# KiCad board PC110.kicad_pcb (continued)
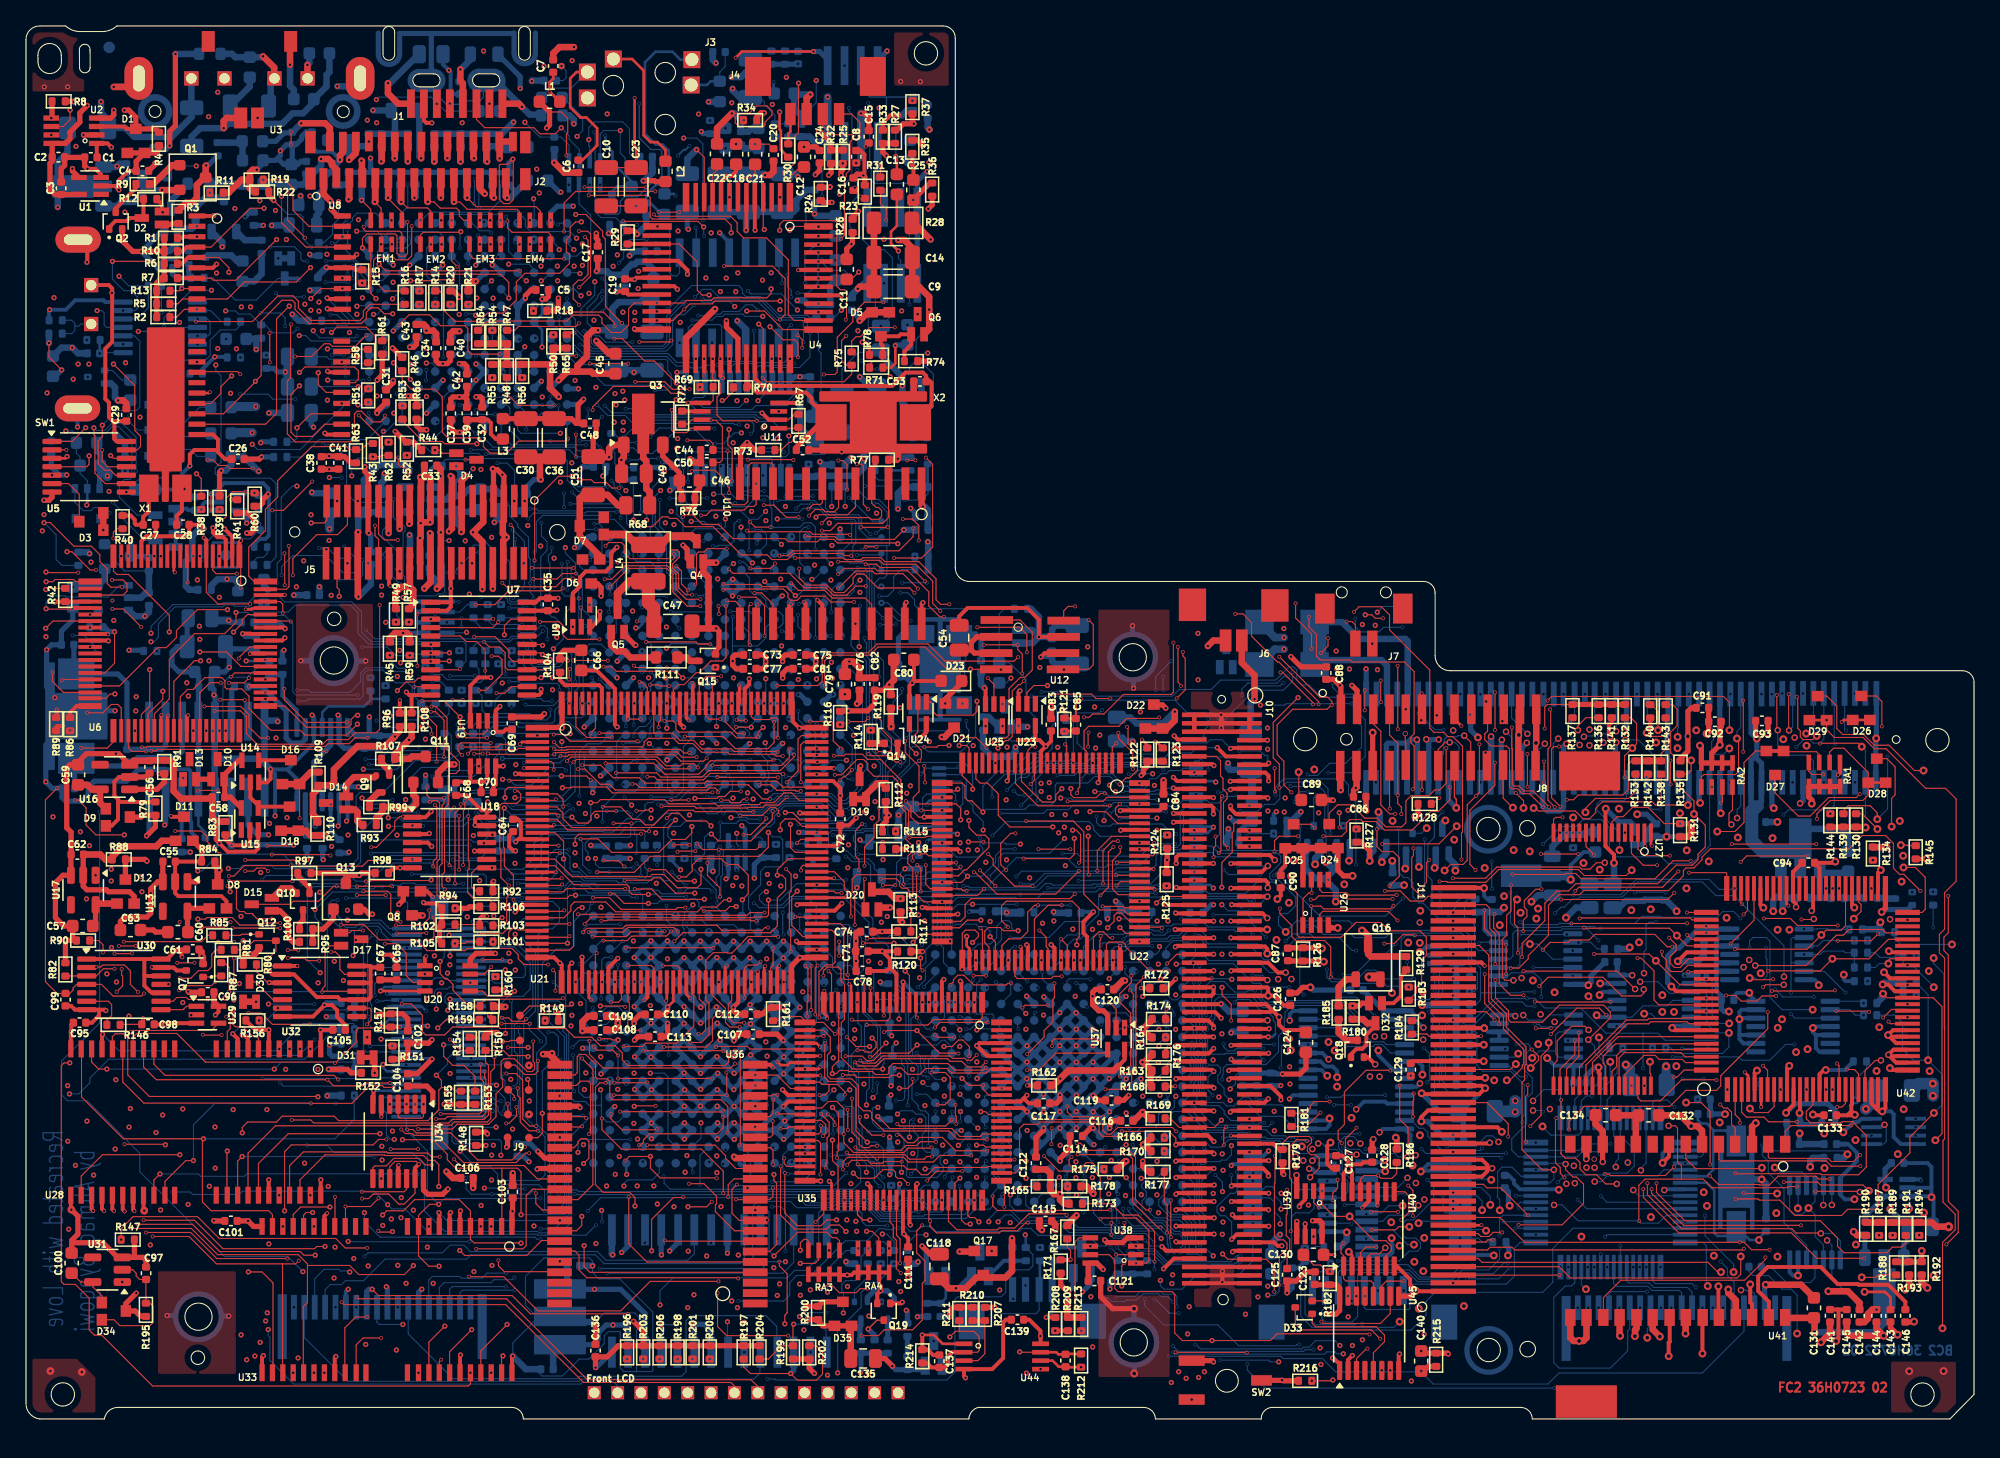
[diagram p0: board, top side]
## Routing (per net, layer and track width the routed paths; a pad name or vN(x,y) marks a point on that pad's centre or on a via; arc(x,y) is an arc through that point) (continued)
CPU_HOLD: length 66.3
  FC2 w0.08: 38.05,31.1 38.77,31.82 41.87,31.82 v1(42.03,31.98)
  IC2 w0.08: v1(58.19,67.4) 57.52,67.4 54.29,70.63 54.29,71.41 53.82,71.88 51.82,71.88 51.11,71.17 51.11,69.93 50.62,69.44 50.62,68.58 50.25,68.21 50.25,60.06 50.03,59.84 49.98,59.84 49.92,59.78 48.63,59.78 46.62,57.77 45.64,57.77 44.81,56.94 44.81,46.37 42.95,44.51 42.95,42.5 43.58,41.87 43.58,39.4 44.49,38.49 44.49,34.33 42.14,31.98 v1(42.03,31.98)
  BC1 w0.08: v1(42.03,31.98) 42.48,32.43 42.85,32.43 43.22,32.06 43.22,31.64 43.51,31.35 43.74,31.35 43.92,31.17 v7(44.31,31.17)
  BC2 w0.08: U76.C7 45.62,31.76 44.76,31.76 44.31,31.31 v7(44.31,31.17) ; 57.63,67.99 57.63,67.99 58.19,67.42 v1(58.19,67.4)
CPU_INTR: length 61.8
  FC2 w0.08: v3(48.08,56.57) 48.74,56.57 48.82,56.49 49.53,56.49 v3(49.54,56.48)
  FC1 w0.08: v3(49.54,56.48) 49.75,56.69 49.75,57.87 49.84,57.96 49.84,64.08 50.41,64.65 50.41,65.87 50.21,66.07 49.54,66.07 49.06,66.55 49.06,67.31 50.38,68.63 50.38,69.25 49.7,69.93 v1(49.7,69.94) ; v1(46.82,22.78) 46.34,23.26 46.34,30.92 45.82,31.44 45.82,32.05 45.96,32.19 45.96,33.76 47.33,35.13 47.33,44.15 46.22,45.26 46.22,52.91 46.86,53.55 v3(46.86,55.15) 47.28,55.15 48.08,55.95 v3(48.08,56.57)
  BC1 w0.08: v1(46.82,22.78) 46.17,22.13 46.17,21.29 46.57,20.89 v7(47.33,20.89) ; v1(49.7,69.94) 50.32,69.32 50.32,68.28 50.17,68.13 50.17,67.18 51.14,66.21 v7(51.29,66.21)
  BC2 w0.08: 51.28,66.72 51.28,66.23 v7(51.29,66.21) ; U76.D15 47.42,20.89 v7(47.33,20.89)
CPU_KEN#: length 78.2
  BC1 w0.08: v7(57.45,68.71) 57.59,68.57 v7(57.59,66.77) ; v7(42.97,37.48) 43.3,37.15 43.3,33.05 42.86,32.61 41.71,32.61 41.59,32.49 41.59,31.76 41.8,31.55 42.69,31.55 43.84,30.4 v7(44.13,30.4) ; v7(54.73,60.91) 54.3,61.34 53.39,61.34 52.92,61.81 52.92,63.45 52.04,64.33 52.04,66.37 v7(52.92,67.25) ; v7(60.82,67) 61.2,66.62 63.98,66.62 v7(64.01,66.59) ; v7(45.78,38.12) 45.78,41.8 45.83,41.85 45.83,44.41 46.26,44.84 47.21,44.84 47.55,44.5 48.9,44.5 49.2,44.8 49.2,48.52 49.82,49.14 49.82,52.7 50.19,53.07 50.19,53.62 51.47,54.9 51.47,59.16 52.18,59.87 v7(55.7,59.87) ; v7(54.93,69.23) v7(54.93,71.18)
  BC2 w0.08: v7(54.73,60.91) 54.78,60.96 55.34,60.96 55.78,60.52 55.78,59.95 v7(55.7,59.87) ; v7(54.93,69.23) 54.8,69.23 54.54,68.97 54.54,67.67 54.2,67.33 53.38,67.33 53.3,67.25 v7(52.92,67.25) ; v7(54.93,71.18) 54.95,71.2 55.59,71.2 55.65,71.14 57.07,71.14 57.31,70.9 57.31,70.3 57.45,70.16 v7(57.45,68.71) 59.59,68.71 59.94,69.06 60.48,69.06 60.8,68.74 60.8,67.02 v7(60.82,67) ; v7(64.01,66.59) 65.79,66.59 J12.3 ; U76.B7 44.97,30.67 44.7,30.4 v7(44.13,30.4) ; v7(45.78,38.12) 43.31,38.12 42.97,37.78 v7(42.97,37.48)
CPU_LDEV#: length 84
  FC2 w0.08: v3(49.69,37.57) 49.34,37.22 46.81,37.22 46.79,37.2 46.64,37.2 46.3,36.86 v3(44.47,36.86) ; v3(50.18,43.71) 50.23,43.76 v3(51.56,43.76)
  FC1 w0.08: v3(49.69,37.57) 49.69,39.73 50.01,40.05 50.01,43.54 v3(50.18,43.71) ; v3(44.37,33.67) 44.47,33.77 v3(44.47,36.86) ; v1(56.9,64.54) 56.9,62.81 56.41,62.32 52.5,62.32 51.38,61.2 51.38,57.39 51.62,57.15 51.62,53.38 51.08,52.84 51.08,52.02 50.8,51.74 50.8,49.89 52.19,48.5 52.19,47.26 52.11,47.18 52.11,43.94 51.93,43.76 v3(51.56,43.76)
  IC1 w0.08: v1(29.61,80.11) 29.61,79.85 30.03,79.43 30.03,78.81 30.81,78.03 31.68,78.03 32.63,77.08 32.63,74.8 33.27,74.16 33.27,72.21 33.87,71.61 35.96,71.61 38.22,69.35 38.22,65.7 38.65,65.27 56.17,65.27 v1(56.9,64.54)
  BC2 w0.08: U51.D11 30.25,79.47 v1(29.61,80.11)
  BC2 w0.2: 57.63,64.18 57.51,64.3 57.14,64.3 v1(56.9,64.54)
CPU_MIO#: length 119.3
  FC2 w0.08: v1(46.85,24.09) 46.89,24.13 v3(48.5,24.13)
  FC2 w0.3: v3(47.64,32.28) 47.86,32.5 U21.50
  FC1 w0.08: v3(48.5,24.13) 48.5,24.65 48.79,24.94 48.79,28.85 47.64,30 v3(47.64,32.28)
  IC2 w0.08: v1(46.01,76.82) 46.7,76.82 47.26,76.26 47.26,62.1 46.35,61.19 45.29,61.19 43.82,59.72 43.82,56.4 40.6,53.18 40.6,40.27 43.98,36.89 43.98,35.2 41.27,32.49 41.27,29.77 41.45,29.59 41.45,26.37 42.44,25.38 v1(43.01,25.38)
  IC4 w0.08: v1(43.01,25.38) 42.5,25.38 41.98,24.86 41.98,20.38 42.2,20.16 43.31,20.16 46.85,23.7 v1(46.85,24.09)
  BC1 w0.08: v7(48.81,70.82) 47.22,70.82 47.04,71 47.04,75.23 v7(47.03,75.24) ; v1(43.01,25.38) 43.45,24.94 45.8,24.94 46.24,25.38 v7(46.24,25.81) ; v7(36.56,79.57) 36.56,79.94 36.75,80.13 37.67,80.13 38.37,79.43 38.37,78.17 39.2,77.34 42.52,77.34 44.6,75.26 v7(46,75.26) 46.26,75.26 46.42,75.42 46.42,76.66 46.26,76.82 v1(46.01,76.82)
  BC2 w0.08: U51.J11 36.56,79.49 v7(36.56,79.57) ; v7(46,75.26) 47.01,75.26 v7(47.03,75.24) ; v7(48.81,70.82) 48.81,68.8 49.34,68.27 49.34,65.25 49.81,64.78 51.95,64.78 52.55,64.18
CPU_NMI: length 98.3
  FC2 w0.4: v1(37.02,20.95) 37.1,21.03 J9.10
  IC3 w0.08: v1(14.56,22.5) 16.17,22.5 16.38,22.71 31.68,22.71 32.83,21.56 36.41,21.56 v1(37.02,20.95) 37.71,21.64 47.04,21.64 v1(47.11,21.57)
  BC1 w0.08: v7(41.17,22.92) 42.1,22.92 42.27,22.75 44.24,22.75 47.15,19.84 v7(47.52,19.84) 47.52,20.37 47.74,20.59 47.74,21.1 47.27,21.57 v1(47.11,21.57) ; v7(48.07,52.63) 48.42,52.63 48.57,52.78 48.89,52.78 49.07,52.6 49.07,52.31 49.01,52.25 49.01,45.02 ; 49.01,45.02 49.01,44.96 48.78,44.73 47.77,44.73 47.41,45.09 46.13,45.09 45.63,44.59 45.63,41.97 45.46,41.8 45.46,37.22 45.61,37.07 45.61,36.26 46.03,35.84 46.03,35.16 45.87,35 v7(45.6,35) ; 49.01,45.02 49.01,44.98 ; v7(44.31,32.39) 44.6,32.39 44.77,32.22 44.77,30.64 43.28,29.15 43.28,27.95 43.02,27.69 v7(41.17,27.69) ; v7(48.28,53.47) 48.51,53.47 49.1,54.06 49.54,54.06 50.8,55.32 50.8,56.15 50.19,56.76 50.19,58.02 50.82,58.65 50.82,60.08 51.25,60.51 v7(51.25,65.12)
  BC2 w0.08: v7(44.31,32.39) 44.31,33.94 44.69,34.32 45.35,34.32 45.6,34.57 v7(45.6,35) ; U76.D16 47.52,19.72 v7(47.52,19.84) ; 51.28,65.45 51.25,65.43 v7(51.25,65.12) ; v7(48.07,52.63) 48.07,53.26 v7(48.28,53.47) ; v7(41.17,27.69) v7(41.17,22.92)
CPU_RDY#: length 95.8
  FC2 w0.08: v3(45.6,66) 49.57,66 49.92,66.35 v3(49.92,66.66) ; v1(42.3,44.29) 42.3,44.78 42.58,45.06 47.34,45.06 v3(47.38,45.1) ; 46.46,54.03 v3(46.38,53.95) 46.4,53.93 v3(47.35,53.93)
  FC2 w0.3: 46.36,55.15 46.36,53.97 v3(46.38,53.95)
  FC1 w0.08: v3(45.6,66) 45.6,60.43 47.51,58.52 47.51,57.02 47.58,56.95 47.58,56.39 46.38,55.19 v3(46.38,53.95) ; v1(53.28,64.74) 51.15,64.74 50.96,64.93 50.96,66.07 50.37,66.66 v3(49.92,66.66) ; v3(47.38,45.1) 47.38,50.31 46.59,51.1 46.59,52.86 47.35,53.62 v3(47.35,53.93)
  IC1 w0.08: v1(53.28,64.74) 53.23,64.79 38.58,64.79 38.05,65.32 38.05,69.04 35.88,71.21 32.55,71.21 27.66,76.1 v1(27.54,76.1)
  BC1 w0.08: v7(54.23,62.23) 53.83,62.23 53.29,62.77 53.29,64.73 v1(53.28,64.74) ; v1(42.3,44.29) 42.73,43.86 42.73,40.18 42.21,39.66 42.21,38.78 43.48,37.51 43.48,32.31 43.67,32.12 v7(43.67,31.7)
  BC2 w0.08: U51.C12 U51.C13 28.54,76.91 27.73,76.1 v1(27.54,76.1) ; v7(54.23,62.23) 55.75,62.23 56.37,61.61 ; v7(43.67,31.7) 43.7,31.67 U76.A7
CPU_RESET: length 64.3
  FC2 w0.08: v3(45.06,32.11) 45.63,32.11 45.86,32.34 U21.46
  FC1 w0.08: v1(44.26,25.37) 44.79,25.37 45,25.58 45,31.66 45.06,31.72 v3(45.06,32.11)
  BC1 w0.08: v7(40.65,33.66) 40.65,37.06 41.36,37.77 41.36,40.04 40.81,40.59 40.81,47.49 v7(41.23,47.91) ; v7(50.75,63.43) 50.75,60.61 50.12,59.98 50.12,58.74 49.93,58.55 49.93,55.18 49.26,54.51 48.84,54.51 48.64,54.31 47.53,54.31 47.28,54.06 45.14,54.06 43.95,52.87 43.95,51.4 43.07,50.51 v7(41.94,50.51)
  BC2 w0.08: v7(41.23,47.91) 41.94,48.62 v7(41.94,50.51) ; 51.28,64.18 50.93,63.84 50.93,63.61 v7(50.75,63.43) ; 44.32,24.18 44.32,23.32 44.75,22.89 45.61,22.89 U76.C13 ; 44.32,24.18 44.32,25.31 v1(44.26,25.37) ; 44.32,24.18 44.31,24.17 43.37,24.17 43.08,24.46 42.27,24.46 41.81,24.92 41.81,29.8 41.57,30.04 41.57,32.74 v7(40.65,33.66)
CPU_SMI#: length 55.6
  IC4 w0.08: v1(48.09,26.65) 47.67,27.07 47.67,31.34 47.63,31.38 47.63,39.36 47.45,39.54 47.45,41.32 47.96,41.83 47.96,45.49 48.63,46.16 48.63,51.72 48.76,51.85 48.76,69.33 48.95,69.52 49.8,69.52 49.91,69.41 v1(49.91,68.92)
  BC1 w0.08: v7(50.01,66.21) 49.91,66.31 v1(49.91,68.92)
  BC2 w0.08: v7(50.01,66.21) 50.01,66.72 ; v1(48.09,26.65) 49.17,26.65 49.45,26.37 49.45,21.58 U76.F15
CPU_SMIACT#: length 108.1
  FC2 w0.08: v3(41.88,57.81) 41.84,57.77 v3(41.84,56.98)
  FC1 w0.08: v1(42.04,73.68) 42.85,73.68 43.15,73.38 43.15,71.63 42.85,71.33 42.85,67.04 41.65,65.84 41.65,64.46 42.38,63.73 42.49,63.73 43.02,63.2 43.02,61.07 ; 43.02,61.07 43,61.05 v3(42.12,61.05) ; 43.02,61.07 43.02,58.48 42.35,57.81 v3(41.88,57.81) ; v3(41.84,56.98) 41.65,56.98 40.95,57.68 37.5,57.68 36.99,58.19 34.48,58.19 33.33,57.04 33.33,54.59 32.54,53.8 30.38,53.8 30.14,53.56 30.14,49.87 27.43,47.16 27.43,45.41 27.69,45.15 27.69,43.32 27.62,43.25 27.62,42.89 29.23,41.28 29.23,39.33 28.88,38.98 v1(28.63,38.98)
  IC1 w0.08: v1(36,21.09) 36.42,21.09 36.7,21.37 39.47,21.37 42.4,18.44 45.57,18.44 v1(46.06,17.95)
  IC3 w0.08: v1(42.04,73.68) 42.05,73.69 45.12,73.69 45.29,73.52 48.84,73.52 v1(50.13,74.81)
  IC4 w0.08: v1(28.63,38.98) 31.03,36.58 33.31,36.58 34.93,34.96 34.93,25.21 36.77,23.37 36.77,21.86 v1(36,21.09)
  BC2 w0.08: v1(50.13,74.81) 50.13,74.22 50.37,73.98 50.37,71.44 50.6,71.21 50.6,70.74 50.14,70.28 50.14,69.71 50.6,69.25 50.6,68.17 50.42,67.99 50.01,67.99 ; v1(46.06,17.95) 46.06,18.14 46.34,18.42 48.24,18.42 48.78,18.96 U76.E16
CPU_SRESET: length 70.5
  FC2 w0.08: 38.75,21.67 39.42,21.67 39.77,22.02 v1(39.77,23.55)
  IC2 w0.08: v1(39.77,23.55) 40.99,23.55 42.52,22.02 v1(42.52,20.54)
  BC1 w0.08: 42.53,55.63 41.88,55.63 41.77,55.52 41.13,55.52 41.06,55.59 40.33,55.59 39.47,54.73 39.47,53.66 39.84,53.29 39.84,41.67 39.72,41.55 39.72,32.06 40.24,31.54 v7(40.24,29.8) ; 42.53,55.63 42.59,55.63 ; 42.53,55.63 42.6,55.63 42.7,55.53 45.25,55.53 v7(45.54,55.82) ; v7(46.55,21.54) 46.55,21.88 46.79,22.12 48.19,22.12 48.79,21.52 v7(48.79,21.11) ; v7(49.99,63.66) 49.99,60.79 48.88,59.68 48.88,59.15 49.4,58.63 49.4,57.56 49.69,57.27 49.69,56.9 49.44,56.65 49.44,55.21 49.18,54.95 47.37,54.95 47.05,54.63 v7(45.67,54.63)
  BC2 w0.08: v1(39.77,23.55) 39.77,26.81 41.01,28.05 41.01,29.45 40.66,29.8 v7(40.24,29.8) ; v7(45.67,54.63) 45.67,55.13 45.54,55.26 v7(45.54,55.82) ; 50.01,64.18 50.01,63.68 v7(49.99,63.66) ; U76.E15 48.79,20.99 v7(48.79,21.11) ; v1(42.52,20.54) 42.52,21.36 42.7,21.54 v7(46.55,21.54)
CPU_STPCLK#: length 103.6
  FC2 w0.08: v3(67.33,12) 67.33,13.88 67.05,14.16 U35.62
  FC1 w0.08: v3(67.33,12) 66.5,11.17 66.5,4.46 64.95,2.91 63.8,2.91 63.41,3.3 63.41,3.91 61.25,6.07 55.77,6.07 54.8,7.04 v1(54.8,8.58)
  IC4 w0.08: v1(48.88,71.55) 48.88,71.06 49.49,70.45 49.95,70.45 50.13,70.27 50.13,69.62 50.33,69.42 50.33,68.71 49.65,68.03 49.65,65.4 50.3,64.75 50.3,58.5 51.06,57.74 51.06,48.79 49.42,47.15 49.42,44.36 51.03,42.75 51.03,40.49 50.89,40.35 50.89,38.9 52.49,37.3 52.49,23.32 v1(51.99,22.82) 51.93,22.76 51.93,18.84 53.02,17.76 53.02,9.22 53.65,8.58 v1(54.8,8.58)
  BC2 w0.08: 48.73,67.99 48.73,68.49 48.47,68.75 48.47,71.13 48.58,71.24 48.58,71.25 v1(48.88,71.55) ; U76.G15 51.99,21.65 v1(51.99,22.82)
CPU_WR#: length 104.6
  FC2 w0.08: U21.42 43.86,35.8 v3(43.96,35.9)
  FC1 w0.08: v1(44.29,39.43) 44.29,38.87 43.96,38.54 v3(43.96,35.9)
  IC3 w0.08: v1(54.77,78.47) 54.77,78.52 54.12,79.17 51.78,79.17 50.75,78.14 45.46,78.14 v1(45.45,78.15) 42.57,78.15 41.29,79.43 39.27,79.43 39.2,79.5 33.88,79.5 v1(33.33,80.05)
  IC4 w0.08: v1(44.29,39.43) 44.29,41.57 42.72,43.14 42.72,44.49 41.44,45.77 41.44,47.35 41.91,47.82 41.91,49.8 42.4,50.29 42.4,52.15 42.41,52.15 42.55,52.29 42.55,54.13 43.16,54.74 43.16,59.87 42.33,60.7 42.33,65.43 43.1,66.2 43.1,71.67 43.36,71.93 43.36,74.27 44.18,75.09 46.22,75.09 46.65,75.52 46.65,77.49 45.99,78.15 v1(45.45,78.15)
  BC1 w0.08: v7(30.2,78.74) 30.2,79.17 30.42,79.39 33.13,79.39 33.33,79.59 v1(33.33,80.05) ; v7(46.24,28.76) 46.22,28.78 46.22,32.99 v7(46.23,33) ; v1(54.77,78.47) 54.77,77.89 54.59,77.71 54.59,75.78 54.97,75.4 54.97,74.69 55.97,73.69 55.97,72.37 55.5,71.9 55.5,71.39 55.56,71.33 55.56,70.55 55.34,70.33 55.34,69.7 56.03,69.01 v7(56.03,68.54) ; v7(45.6,33.98) 44.82,33.98 44.29,34.51 v1(44.29,39.43)
  BC2 w0.08: v7(56.03,68.54) 56.65,68.54 57.04,68.15 57.04,67.41 56.36,66.72 ; v7(45.6,33.98) 45.6,33.3 45.9,33 v7(46.23,33) ; U51.D12 30.25,78.69 v7(30.2,78.74)
D4_3: length 16.3
  FC2 w0.08: D4.3 34.69,73.93 v3(33.86,73.93)
  FC1 w0.08: v3(33.86,73.93) 33.05,73.93 32.73,73.61 32.73,73.34 33.13,72.94 33.13,71.7 34.74,70.09 37.32,70.09 37.9,69.51 37.9,67.64 37.58,67.32 35.2,67.32 34.36,66.48 v3(34.36,65.94)
D11_2: length 15.2
  FC2 w0.4: C62.2 4.41,43.47 U17.2 4.41,41.06 4.69,40.78 6.2,40.78 6.35,40.63 7.98,40.63 8.34,40.28 8.34,39.72
  FC2 w0.5: D11.3 10.47,44.56 10.04,44.13 7.46,44.13 6.64,43.31 R88.1 6.11,43.12 5.73,43.5 C62.2
D18_2_3: length 143.5
  FC2 w0.08: J5.21 23.14,65.97 v3(23.14,67.03)
  FC1 w0.08: v1(20.87,71.89) 20.93,71.83 23.53,71.83 24.27,71.09 24.27,70.44 22.55,68.72 22.55,67.62 v3(23.14,67.03) ; v1(12.08,23.89) v1(12.08,32.09)
  IC1 w0.08: v1(12.08,23.89) 12.83,23.14 31.98,23.14 32.99,24.15 40.27,24.15 40.84,23.58 63.74,23.58 63.91,23.75 64.88,23.75 65.17,24.04 65.17,24.14 66,24.97 v1(66.62,24.97)
  BC1 w0.08: v7(19.96,84.22) 19.96,83.89 21.46,82.39 21.46,75.43 20.87,74.84 v1(20.87,71.89) ; v7(18.06,85.23) 18.06,88.07 v7(19.43,89.44) ; v7(19.35,64.43) 18.58,64.43 18.3,64.16 18.3,63.82 19.25,62.87 19.25,59.37 v7(17.88,58) ; v7(15.17,52.26) 14.51,51.6 14.51,32.73 13.87,32.09 v1(12.08,32.09)
  BC2 w0.08: v7(19.96,84.22) 19.96,84.85 19.58,85.23 v7(18.06,85.23) ; v1(20.87,71.89) 20.52,71.89 19.66,71.03 19.66,66.26 19.35,65.95 v7(19.35,64.43) ; v7(15.17,52.26) 15.17,56.71 15.62,57.16 17.05,57.16 17.88,57.99 v7(17.88,58)
  BC2 w0.4: v1(66.62,24.97) 66.47,24.82 R397.2
  BC2 w0.5: v7(19.43,89.44) D37.1
D28_1: length 171.5
  FC2 w0.5: v1(29.53,68.98) 29.56,69.01 J5.12
  IC1 w0.5: v1(63.99,40.94) 67.08,40.94 67.33,40.69 88.01,40.69 88.4,40.3 94,40.3 94.9,39.4 96.39,39.4 96.77,39.02 105.3,39.02 105.44,39.16 v2(107.4,39.16)
  IC3 w0.08: v2(107.56,26.53) 107.49,26.6
  IC3 w0.5: v1(63.99,40.94) 64.02,40.91 64.02,39.37 63.27,38.62 40.95,38.62 39.3,40.27 33.81,40.27 v1(32.52,41.56) ; v2(100.99,26.33) 101.68,26.33 102.48,25.53 104.72,25.53 105.79,26.6 107.49,26.6
  IC3 w0.7: v1(17.43,76.01) 18.75,76.01 19.61,75.15 28.47,75.15 29.52,74.1 v1(29.52,72.97)
  IC4 w0.5: v1(32.52,41.56) 32.52,42.4 33.38,43.26 33.38,49.85 34.21,50.68 34.21,59.32 33.56,59.97 28.64,59.97 28.62,59.99 28.06,59.99 26.6,61.45 26.6,67.08 27.14,67.62 27.14,68.93 27.92,69.71 28.8,69.71 v1(29.53,68.98) 29.52,68.99 v1(29.52,72.97)
  IC4 w0.6: 106.21,27.88 v2(107.56,26.53)
  IC4 w0.9: v2(107.4,39.16) 107.83,39.16 108.4,38.59
  IC4 w1: 106.21,27.88 106.21,33.49 108.4,35.68 108.4,38.59
  BC2 w0.3: v2(107.56,26.53) 107.56,27.2 107.21,27.55 U70.7 ; v2(100.99,26.33) 100.99,26.82 100.65,27.16 100.11,27.16 99.72,27.55 U70.24
  BC2 w0.5: v1(63.99,40.94) 63.99,41.83 Q36.2 ; C221.2 26.03,72.36 27.19,73.52 29.24,73.52 29.52,73.24 v1(29.52,72.97)
  BC2 w0.7: v1(17.43,76.01) 15.87,76.01 D50.1
D46_1: length 49.5
  FC2 w0.08: v3(37.33,68.89) 37.56,68.66 J5.39 ; v3(27.43,74.86) 27.3,74.99 27.3,75.67 v3(25.63,77.34) ; v3(18.78,81.43) 18.78,83.66 v3(18.76,83.68) ; v3(29.15,73.38) 28.86,73.38 28.68,73.56 v3(28.68,74.09)
  FC1 w0.08: v3(27.43,74.86) 27.92,74.86 28.68,74.1 v3(28.68,74.09) ; v3(18.76,83.68) 18.76,85.3 17.08,86.98 v1(14.29,86.98) ; v3(25.63,77.34) 23.41,77.34 22.08,78.67 22.08,80.33 20.98,81.43 v3(18.78,81.43) ; v3(29.15,73.38) 30.36,73.38 34.22,69.52 36.7,69.52 v3(37.33,68.89)
  BC1 w0.08: v7(11.33,77.78) 11.33,80.2 10.55,80.98 10.55,84.14 v7(10.63,84.22)
  BC2 w0.08: v1(14.29,86.98) 12.74,86.98 10.63,84.87 v7(10.63,84.22)
Dock_PWR_IN-: length 116.5
  FC2 w0.08: 35.16,63.95 v1(35.15,63.94)
  FC2 w0.5: J5.5 35.22,70.73 35.22,69.12 v1(34.43,68.33) 35.16,67.6 J5.36 ; 35.15,65.93 J5.36 ; J5.36 35.16,63.95 ; v1(35.96,63.98) J5.37
  IC3 w0.4: 107.17,52.38 v4(107.14,52.35)
  IC3 w0.5: 35.19,63.98 v1(35.15,63.94)
  IC3 w0.6: 34.89,67.87 v1(34.43,68.33) ; 35.15,66.65 34.89,66.91
  IC3 w0.7: 34.89,66.91 34.89,67.87
  IC3 w0.8: v1(35.15,63.94) 35.15,66.65 ; v4(107.14,52.35) 107.14,53.47 105.99,54.62 101.52,54.62 99.31,56.83 96.47,56.83 95.05,58.25 89.41,58.25 86.53,55.37 84.15,55.37 81.78,57.74 v1(81.78,59.5) 80.47,60.81 80.5,60.81 79.24,60.81 78.78,61.27 59.16,61.27 58.19,62.24 52.08,62.24 49.54,64.78 36.76,64.78 v1(35.96,63.98) 35.19,63.98 ; 108.8,52.38 v4(108.82,52.36)
  IC3 w0.9: 107.17,52.38 v4(107.86,52.38) 108.8,52.38
  BC2 w0.4: 108.05,52.19 108.22,52.36 v4(108.82,52.36) ; 108.05,52.19 108.05,49.08 J13.57 ; 108.05,52.19 v4(107.86,52.38) ; 106.38,52.08 105.64,52.08 ; 106.38,52.08 106.65,52.35 v4(107.14,52.35) 107.18,52.31 J13.56 ; 106.38,52.08 J13.55 ; 105.64,52.08 105.58,52.02 J13.54 ; 105.64,52.08 104.9,52.08 104.78,51.96 J13.53
EN_LCD_VAA: length 11.2
  FC2 w0.08: U35.83 73.7,21.96 73.51,21.77 71.93,21.77 71.32,22.38 66.54,22.38 v1(65.61,23.31)
  BC2 w0.4: R397.1 65.83,23.09 v1(65.61,23.31)
EN_RS232: length 98.7
  FC2 w0.08: v3(84.76,21.84) 84.7,21.78 82.92,21.78 82.66,22.04 82.66,22.59 82.37,22.88 78.1,22.88 77.93,22.71 76.85,22.71 76.53,22.39 76.53,19.3 76.19,18.96 U35.77
  FC1 w0.08: v4(119.23,19.51) 118.79,19.07 118.34,19.07 117.1,17.83 109.31,17.83 108.82,17.34 104.04,17.34 103.85,17.53 101.41,17.53 100.83,18.11 96.64,18.11 96.23,17.7 96.23,17.19 95.99,16.95 94.27,16.95 93.56,17.66 93.56,18.29 93.17,18.68 90.94,18.68 90.27,19.35 90.27,24.63 89.61,25.29 88.34,25.29 88.27,25.36 87.15,25.36 84.76,22.97 v3(84.76,21.84)
  IC4 w0.08: v4(123.2,52.33) 123.23,52.3 123.23,42.94 120.55,40.26 120.55,37.51 119.23,36.19 v4(119.23,19.51)
  BC2 w0.08: v4(123.2,52.33) 124.2,52.33 125.63,50.9 J13.79
Enable_IRDA_Buf: length 243
  FC2 w0.08: U7.15 39.64,57.09 v1(39.68,57.13) ; v3(97.99,44.9) 96.51,44.9 96.17,44.56 v3(96.17,43.74) ; v3(96.54,48.65) 96.54,50.46 96.07,50.93 96.07,53.68 v1(97.98,55.59) ; U26.1 98.36,40.09 98.81,40.54 v3(99.03,40.54) 99.03,41.54 U26.7
  FC1 w0.08: v1(13.2,64.66) 12.14,65.72 9.54,65.72 9.02,66.24 9.02,66.58 11.99,69.55 13.75,69.55 14.61,70.41 14.61,72.03 14.32,72.32 14.32,77.83 12.46,79.69 12.46,87.72 11.72,88.46 11.72,95.16 v1(13.12,96.56) ; v3(97.99,44.9) 97.99,45.82 98.62,46.45 98.62,47.74 97.71,48.65 v3(96.54,48.65) ; v3(96.17,43.74) 96.79,43.12 96.79,41.28 97.53,40.54 v3(99.03,40.54)
  IC3 w0.08: v1(13.2,64.66) 13.17,64.63 13.17,62.91 12.64,62.38 12.64,60.12 13.16,59.6 17.38,59.6 19.31,61.53 20.93,61.53 22.2,60.26 25.1,60.26 25.54,59.82 29.57,59.82 29.84,59.55 34.28,59.55 36.7,57.13 v1(39.68,57.13) 40.11,56.7 40.11,56 40.25,55.86 65.3,55.86 65.8,55.36 71.92,55.36 72.62,54.66 75.43,54.66 76.22,55.45 80.07,55.45 82.18,53.34 84.07,53.34 84.31,53.1 91.26,53.1 91.82,52.54 93.85,52.54 96.9,55.59 v1(97.98,55.59) 98.45,55.59 100.55,53.49 102.43,53.49 106.46,49.46 110.99,49.46 113.26,51.73 113.26,52.56 113.33,52.63 113.33,53.22 113.76,53.65 118.25,53.65 119.28,52.62 119.28,51.76 119.68,51.36 120.55,51.36 120.85,51.66 120.85,52.68 121.81,53.64 123.12,53.64 125.66,51.1 127.67,51.1 127.92,51.35 128.65,51.35 129.62,50.38 129.62,45.05 128.84,44.27 128.84,43.35 126.18,40.69 126.18,39.34 125.32,38.48 122.12,38.48 120.24,36.6 v2(115.84,36.6)
  BC1 w0.08: v7(10.86,95.82) 9.51,95.82 9.4,95.71 v7(7.72,95.71)
  BC2 w0.08: v7(10.86,95.82) 10.86,96.34 11.08,96.56 v1(13.12,96.56) ; U57.4 117.58,35.44 116.42,36.6 v2(115.84,36.6) 115.39,36.6 115.07,36.28 115.07,35.04 114.82,34.79 U57.10
ESS_AEN: length 126.7
  FC2 w0.08: U4.40 58.31,83.95 56.88,85.38 v1(55.52,85.38)
  IC2 w0.08: v1(55.52,85.38) 55.52,84.28 56.53,83.27 58.98,83.27 65.96,76.29 65.96,73.7 66.44,73.22 66.44,67.51 65.76,66.83 65.76,61.23 68.83,58.16 75.85,58.16 77.06,56.95 77.06,54.57 76.75,54.26 76.75,51.3 77.08,50.97 77.08,45.3 78.78,43.6 100.58,43.6 100.85,43.33 100.85,41.65 99.54,40.34 99.54,37.83 101.24,36.13 101.24,34.14 108.57,26.81 108.57,16.49 108.06,15.98 106.71,15.98 105.87,15.14 105.87,14.47 v2(106.91,13.43)
  BC2 w0.08: v2(106.91,13.43) 106.42,13.43 105.27,14.59 U72.16
ESS_CLK: length 50.5
  FC2 w0.08: v1(53.63,78.49) 53.79,78.49 54.5,79.2 R70.1
  IC1 w0.08: v1(35.87,67.94) 35.8,68.01 35.51,68.01 35.12,68.4 35.12,68.72 34.83,69.01 33.45,69.01 33.12,68.68 33.12,66 33.45,65.67 33.45,63.36 33.29,63.2 30.11,63.2 29.56,63.75 28.69,63.75 28.43,63.49 v1(27.39,63.49) ; v1(53.63,78.49) 51.67,78.49 47.67,74.49 47.67,70.99 47.21,70.53 40.21,70.53 39.51,69.83 39.51,67.99 39.64,67.86 v1(39.64,67.27)
  IC3 w0.08: v1(39.64,67.27) 38.76,67.27 37.54,68.49 36.42,68.49 v1(35.87,67.94)
  BC1 w0.08: v1(27.39,63.49) 27.39,62.54 26.88,62.03 26.88,58.02 26.54,57.68 v7(26.54,57.12)
ESS_DACK1#: length 123.7
  FC2 w0.08: U4.36 56.79,84.02 v1(56.44,84.37)
  IC2 w0.08: v1(56.44,84.37) 57.17,83.64 59.33,83.64 67.94,75.03 67.94,71.48 67.67,71.21 67.67,69.85 68.05,69.47 68.05,68.32 67.96,68.23 67.96,66.9 66.34,65.28 66.34,61.53 69.14,58.73 76.19,58.73 77.74,57.18 77.74,54.78 81.52,51 89.6,51 91.13,52.53 93.29,52.53 94.92,54.16 96.04,54.16 96.94,55.06 99.51,55.06 100.2,54.37 102.3,54.37 103.06,53.61 103.06,51.82 101.29,50.05 v2(99.23,50.05)
  IC4 w0.08: v4(102.01,21.25) 101.43,21.83 101.43,32.26 99.25,34.44 99.25,38.49 96.8,40.94 96.8,45.63 97.58,46.41 97.58,48.4 v2(99.23,50.05)
  BC1 w0.08: v7(103.23,13.9) 103.23,13.9 102.63,14.5 102.63,19.29 102.01,19.91 v4(102.01,21.25)
  BC2 w0.08: v7(103.23,13.9) 103.23,13.9 U72.15
ESS_DRDY: length 127.8
  FC2 w0.3: U4.21 49.93,87.3 v1(50.18,87.05)
  IC2 w0.08: v1(50.18,87.05) 50.2,87.07 52.27,87.07 52.55,87.35 55.37,87.35 56.05,86.67 56.05,84.05 56.65,83.45 59.16,83.45 66.76,75.85 66.76,68.75 67.76,67.75 67.76,67.09 66.13,65.46 66.13,61.42 69.05,58.5 76.14,58.5 77.43,57.21 77.43,54.7 78.02,54.11 78.02,50.67 77.45,50.1 77.45,45.63 79.07,44.01 107.86,44.01 109.03,42.84 110.97,42.84 112.18,41.63 115.94,41.63 116.98,42.67 119.43,42.67 119.43,42.66 120.76,41.33 120.76,38.68 122.26,37.18 122.26,36.61 123.27,35.6 124.27,35.6 125.14,34.73 125.14,31.73 v2(124.64,31.23)
  BC2 w0.08: U66.6 128.2,30.89 125.53,30.89 125.18,31.23 v2(124.64,31.23)
ESS_IRQ1: length 149.4
  FC2 w0.08: U4.16 50.31,90.55 51.71,89.15 51.71,86.98 52.08,86.61 v1(52.62,86.61)
  FC2 w0.3: U4.16 R29.1
  FC1 w0.08: v2(105.81,7.5) 105.81,13.34 v2(105.8,13.35)
  IC2 w0.08: v2(105.8,13.35) 105.19,12.74 104.26,12.74 103.55,13.46 101.44,13.46 100.77,14.12 100.77,19.86 99.98,20.65 99.98,21.51 98.42,23.07 98.42,34.38 97.79,35.01 97.79,38.84 97.29,39.34 95.41,39.34 92.67,42.08 76.11,42.08 76.11,42.07 75.72,42.07 74.92,42.87 74.92,46.64 73.93,47.63 71.2,47.63 68.58,50.25 67.21,50.25 65.44,52.02 65.44,67.07 66.15,67.78 66.15,73.07 65.58,73.64 65.58,76.24 58.81,83.01 56.29,83.01 55.27,84.03 55.27,84.73 55.11,84.89 55.11,85.87 54.86,86.12 53.11,86.12 v1(52.62,86.61)
  BC1 w0.08: v7(94.51,15.74) 94.92,15.32 94.92,11.01 95.32,10.61 97.9,10.61 v7(98.19,10.9)
  BC2 w0.08: v7(98.19,10.9) 98.19,7.92 99.05,7.06 105.37,7.06 v2(105.81,7.5)
ESS_IRQ1_Buf: length 125.4
  FC2 w0.08: v1(48.19,12.96) 48.19,15.38 49.87,17.06 50.6,17.06 v3(50.62,17.08)
  FC1 w0.08: 54.32,55 54.32,55.03 54.37,55.08 ; 54.32,55 54.32,48.34 54.06,48.08 54.06,46.79 53.75,46.48 53.75,45.31 54.87,44.19 54.87,42.91 55.62,42.16 55.62,40.78 55.39,40.55 53.25,40.55 53.11,40.41 53.11,39.19 52.69,38.77 51.91,38.77 51.36,38.22 51.36,36.67 50.95,36.26 50.43,36.26 50.27,36.1 50.27,18.22 50.62,17.87 v3(50.62,17.08) ; 54.32,55 54.32,55.11 v3(54.36,55.15)
  IC4 w0.08: v1(88.26,10.43) 88.26,9.77 86.38,7.89 84.34,7.89 83.29,6.84 76.22,6.84 74.36,4.98 51.94,4.98 48.15,8.77 48.15,12.92 v1(48.19,12.96)
  BC1 w0.08: v7(99.17,5.34) 99.17,5.64 99.48,5.95 99.48,9.9 99.86,10.28 99.86,16.01 v7(100.23,16.39) ; v1(88.26,10.43) 88.26,9.89 87.84,9.47 87.84,8.09 88.35,7.58 v7(88.35,5.62)
  BC2 w0.08: v7(88.35,5.62) 88.76,5.21 98.4,5.21 98.53,5.34 v7(99.17,5.34)
ESS_IRQ2: length 130.5
  FC2 w0.3: v1(50.95,88.21) 50.95,88.53 50.23,89.25 U4.18
  IC2 w0.08: v1(96.61,15.03) 96.32,15.32 95.56,15.32 94.99,14.75 94.99,14.34 92.67,12.02 90.54,12.02 89.25,13.31 89.25,15.04 89.09,15.2 89.09,16.3 88.81,16.58 88.22,16.58 88,16.36 84.08,16.36 83.92,16.52 83.92,17.42 83.55,17.79 82.8,17.79 82.58,18.01 69.79,18.01 68.04,19.76 53.72,19.76 v1(53.21,20.27)
  IC4 w0.08: v1(53.21,20.27) 53.21,20.85 52.76,21.3 52.76,41.26 52.28,41.74 51.94,41.74 51.38,42.3 51.38,42.93 50.43,43.88 50.43,47.77 51.25,48.59 51.25,57.83 50.48,58.6 50.48,64.88 49.89,65.47 49.89,67.97 50.58,68.66 50.58,69.57 51.03,70.02 51.03,70.48 50.58,70.93 50.58,73.2 49.32,74.46 49.32,75.32 49.55,75.55 49.55,77.94 49.01,78.48 49.01,82.85 49.54,83.38 49.54,87.65 50.1,88.21 v1(50.95,88.21)
  BC2 w0.08: 94.51,17.04 95.83,17.04 96.19,16.67 96.19,15.93 96.61,15.51 v1(96.61,15.03)
ESS_IRQ2_Buf: length 123.4
  FC2 w0.08: v3(44.65,25.9) 44.19,25.9 43.86,25.57 43.86,18.06 44.46,17.46 46.5,17.46 46.91,17.05 v1(46.91,16.41) ; v3(42.9,37.51) 43.2,37.81 45.97,37.81 46.15,37.99 46.19,37.99 46.25,38.05 53.21,38.05 53.6,37.66 56.71,37.66 56.92,37.87 v3(57.15,37.87) ; v3(59.7,42.27) 59.7,42.51 59.86,42.67 U21.87
  FC1 w0.08: v3(59.7,42.27) 60.26,41.71 60.26,38.7 59.43,37.87 v3(57.15,37.87) ; v3(44.65,25.9) 44.65,26.13 44.72,26.2 44.72,29.5 43.83,30.39 43.83,32.92 42.73,34.02 40.17,34.02 39.89,34.3 39.89,37.16 40.25,37.52 42.89,37.52 v3(42.9,37.51)
  IC2 w0.08: v4(97.79,20.21) 98.08,20.5 98.49,20.5 98.65,20.34 99.52,20.34 99.68,20.18 99.68,14.92 98.56,13.8 96.55,13.8 94.51,11.76 89.67,11.76 88.02,13.41 88.02,13.92 86.69,15.25 83,15.25 81.94,16.31 80.4,16.31 80.04,16.67 75.69,16.67 75.32,17.04 47.54,17.04 v1(46.91,16.41)